# Allegro board 8880F5-0822_7.brd (continued)
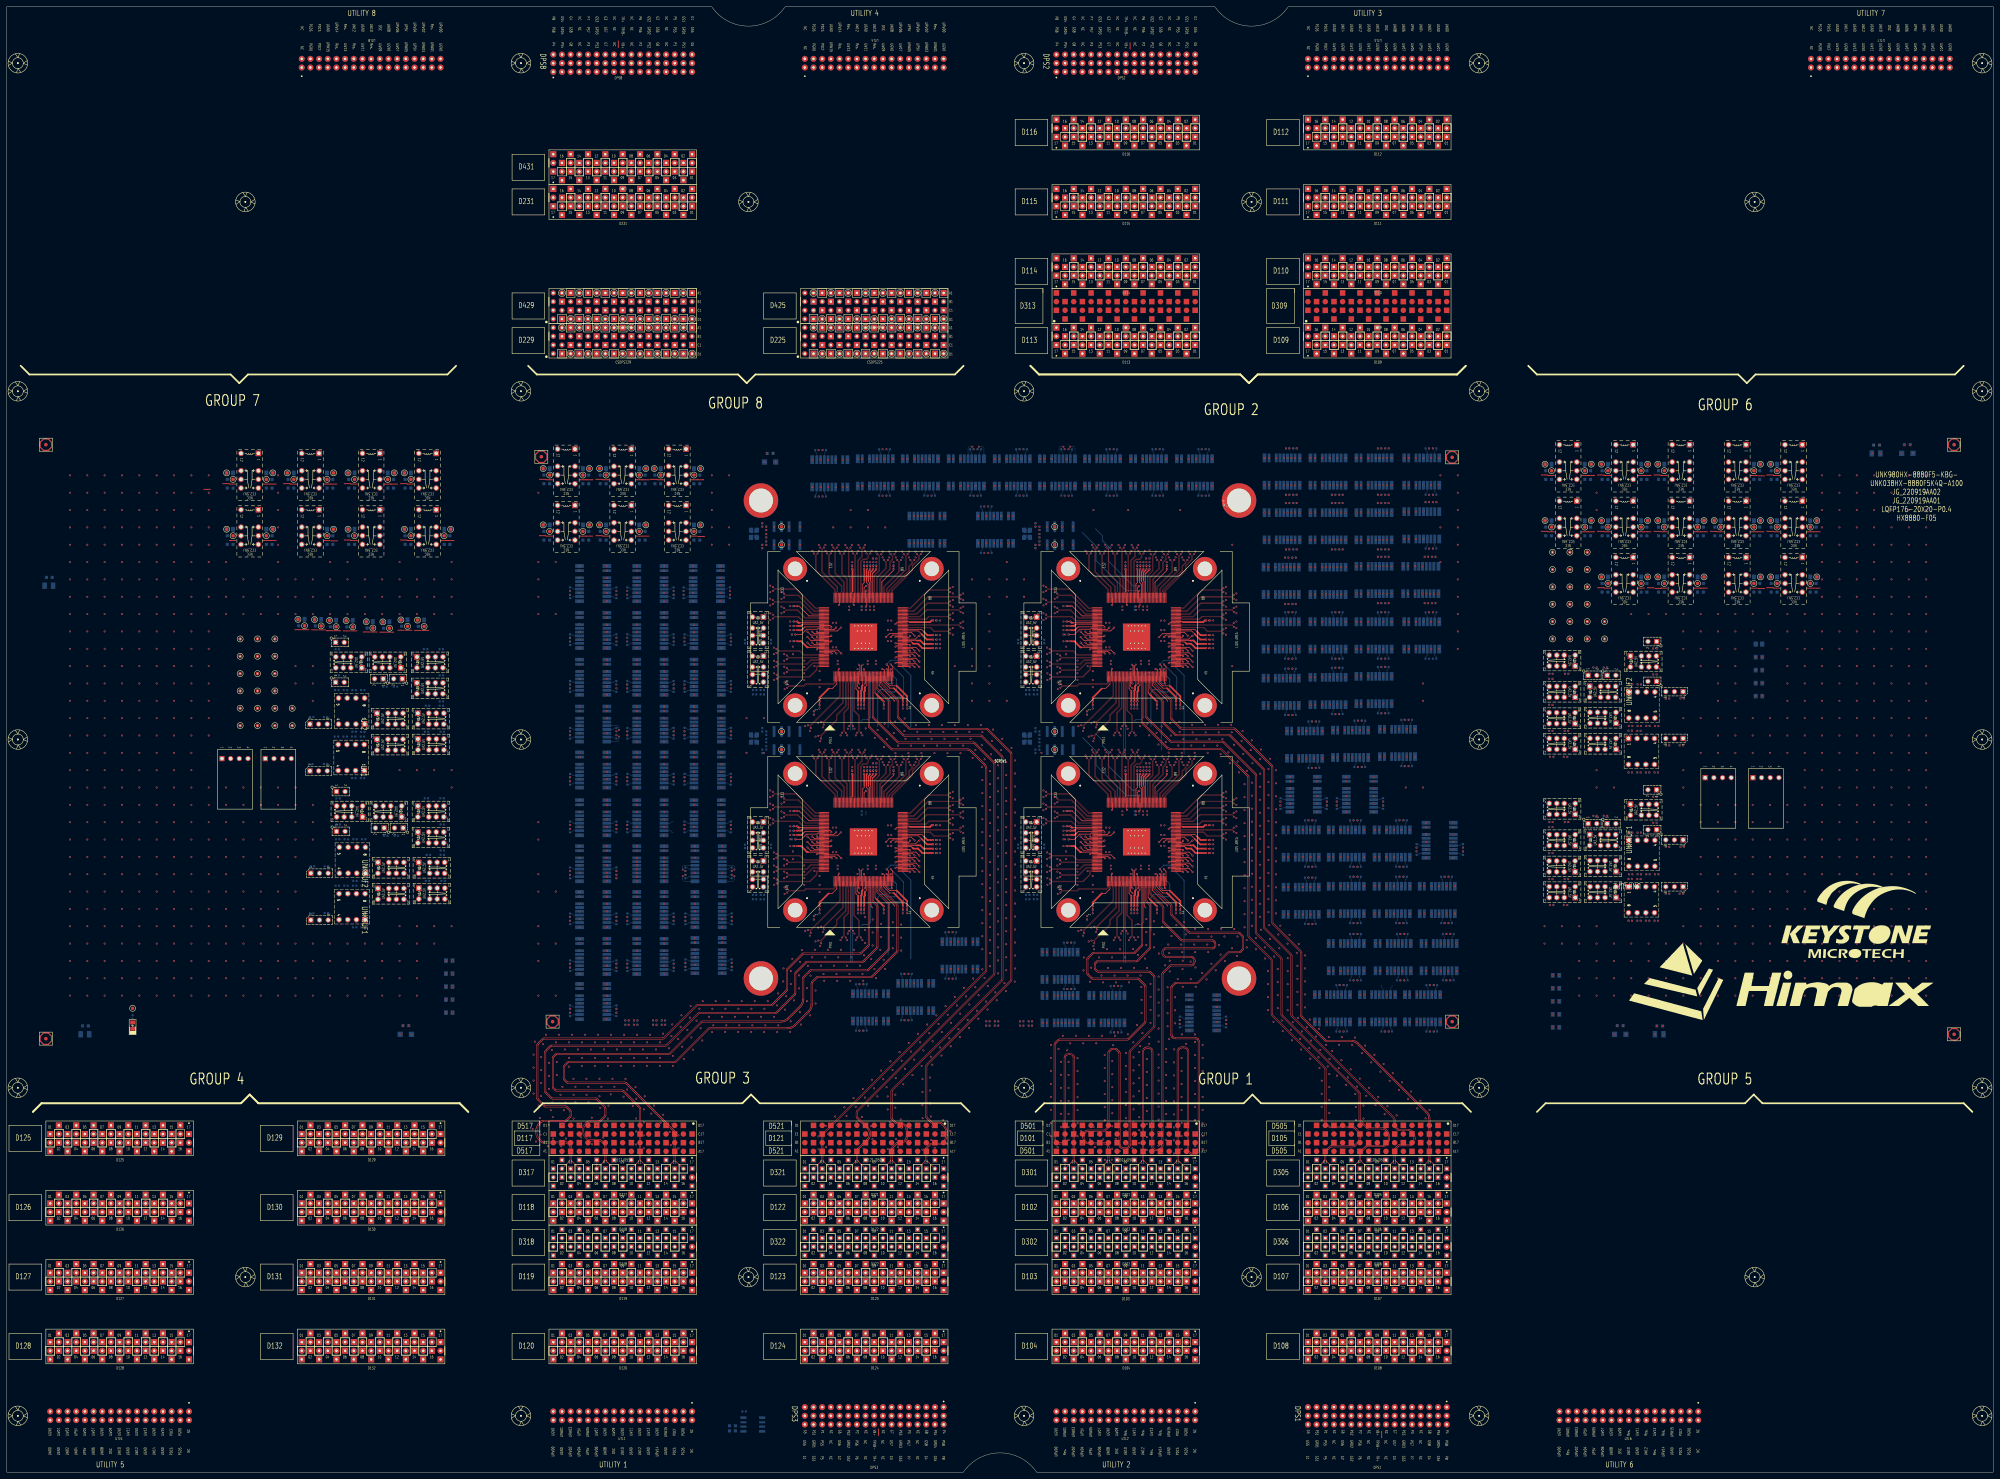
[diagram p0: board, top side]
## Placement (name value [footprint] x y rotation side) (continued)
NOREF#1974  -  []  209.23 195.52 90 top
NOREF#1975  -  []  175.8 174.36 90 top
NOREF#1976  -  []  93.76 271.33 90 top
NOREF#1977  -  []  373.73 207.21 0 top
NOREF#1978  -  []  367.13 271.21 0 top
NOREF#1979  -  []  309.21 187.61 0 top
NOREF#1980  -  []  317.83 257.63 0 top
NOREF#1981  -  []  182.82 257.62 90 top
NOREF#1982  -  []  175.7 250.38 90 top
NOREF#1983  -  []  414.25 154.88 0 top
NOREF#1984  -  []  175.8 133.97 90 top
NOREF#1985  -  []  343.98 288.86 0 top
NOREF#1986  -  []  295.96 248.49 0 top
NOREF#1987  -  []  376.98 224.6 0 top
NOREF#1988  -  []  405.93 288.67 90 top
NOREF#1989  -  []  408.37 258.64 90 top
NOREF#1990  -  []  228.36 202.16 45 top
NOREF#1991  -  []  424.05 163.64 90 top
NOREF#1992  -  []  309.21 248.88 0 top
NOREF#1993  -  []  343.31 224.72 0 top
NOREF#1994  -  []  231.15 159.63 90 top
NOREF#1995  -  []  271.34 241.37 0 top
NOREF#1996  -  []  333.4 264.35 90 top
NOREF#1997  -  []  226.27 216.63 90 top
NOREF#1998  -  []  201.66 186.02 90 top
NOREF#1999  -  []  327.25 205.56 0 top
NOREF#2000  -  []  271.82 134.74 90 top
NOREF#2001  -  []  448.94 276.41 90 top
NOREF#2002  -  []  175.8 187.82 90 top
NOREF#2003  -  []  237.66 164.72 0 top
NOREF#2004  -  []  201.23 192.32 90 top
NOREF#2005  -  []  319.33 236.03 0 top
NOREF#2006  -  []  287.91 280.1 0 top
NOREF#2007  -  []  184.89 240.88 90 top
NOREF#2008  -  []  167.7 138.47 90 top
NOREF#2009  -  []  419.9 272.82 90 top
NOREF#2010  -  []  219.81 213.69 90 top
NOREF#2011  -  []  272.24 181.05 90 top
NOREF#2012  -  []  351.34 189.5 0 top
NOREF#2013  -  []  352.24 242.32 90 top
NOREF#2014  -  []  395.67 133.16 90 top
NOREF#2015  -  []  209.23 243.88 90 top
NOREF#2016  -  []  343.63 165.04 90 top
NOREF#2017  -  []  275.28 290.13 90 top
NOREF#2018  -  []  230.43 186.34 90 top
NOREF#2019  -  []  381.74 265.11 0 top
NOREF#2020  -  []  475.04 239.09 0 top
NOREF#2021  -  []  247.25 265.56 90 top
NOREF#2022  -  []  237.66 224.74 0 top
NOREF#2023  -  []  368.28 297.12 0 top
NOREF#2024  -  []  473.79 239.64 0 top
NOREF#2025  -  []  229.51 243.41 0 top
NOREF#2026  -  []  387.39 281.11 0 top
NOREF#2027  -  []  223.15 271.32 90 top
NOREF#2028  -  []  259.33 265.56 0 top
NOREF#2029  -  []  301.34 286.96 0 top
NOREF#2030  -  []  314.71 129.74 90 top
NOREF#2031  -  []  262.68 163.52 90 top
NOREF#2032  -  []  208.98 257.6 90 top
NOREF#2033  -  []  251.33 140.14 0 top
NOREF#2034  -  []  330.51 288.86 0 top
NOREF#2035  -  []  372.72 178.25 0 top
NOREF#2036  -  []  397.38 180.15 90 top
NOREF#2037  -  []  383.73 195.88 90 top
NOREF#2038  -  []  252.51 265.56 0 top
NOREF#2039  -  []  286.55 288.31 90 top
NOREF#2040  -  []  168.69 276.04 90 top
NOREF#2041  -  []  462.06 277.31 90 top
NOREF#2042  -  []  221.56 239.06 0 top
NOREF#2043  -  []  271.34 245.18 0 top
NOREF#2044  -  []  390.53 163.64 0 top
NOREF#2045  -  []  201.23 187.92 90 top
NOREF#2046  -  []  387.08 154.88 0 top
NOREF#2047  -  []  414.82 249.11 0 top
NOREF#2048  -  []  175.8 228.97 90 top
NOREF#2049  -  []  310.43 248.88 90 top
NOREF#2050  -  []  112.05 246.78 90 top
NOREF#2051  -  []  331.38 164.74 90 top
NOREF#2052  -  []  209.59 160.9 90 top
NOREF#2053  -  []  251.06 165.04 90 top
NOREF#2054  -  []  337.09 224.74 90 top
NOREF#2055  -  []  373.93 297.12 0 top
NOREF#2056  -  []  209.49 182.06 90 top
NOREF#2057  -  []  306.83 269.63 90 top
NOREF#2058  -  []  334.61 265.86 90 top
NOREF#2059  -  []  230.83 224.63 0 top
NOREF#2060  -  []  290.64 288.86 0 top
NOREF#2061  -  []  413.71 178.82 0 top
NOREF#2062  -  []  201.23 242.78 90 top
NOREF#2063  -  []  404.4 241.16 90 top
NOREF#2064  -  []  229.21 243.09 0 top
NOREF#2065  -  []  460.93 182.17 90 top
NOREF#2066  -  []  318.45 197.01 0 top
NOREF#2067  -  []  352.24 184.86 90 top
NOREF#2068  -  []  331.62 205.56 0 top
NOREF#2069  -  []  188.08 289.11 90 top
NOREF#2070  -  []  253.33 241.33 90 top
NOREF#2071  -  []  409.74 146.88 0 top
NOREF#2072  -  []  412.6 161.74 0 top
NOREF#2073  -  []  331.62 265.56 90 top
NOREF#2074  -  []  175.7 164.3 90 top
NOREF#2075  -  []  459.24 219.3 0 top
NOREF#2076  -  []  373.32 181.42 90 top
NOREF#2077  -  []  401.52 210.88 90 top
NOREF#2078  -  []  252.51 265.56 90 top
NOREF#2079  -  []  208.98 259.8 90 top
NOREF#2080  -  []  392.73 171.64 0 top
NOREF#2081  -  []  230.41 188.88 90 top
NOREF#2082  -  []  199.59 189.04 90 top
NOREF#2083  -  []  66.26 271.33 90 top
NOREF#2084  -  []  277.17 288.86 0 top
NOREF#2085  -  []  182.57 144.78 90 top
NOREF#2086  -  []  408.92 265.37 0 top
NOREF#2087  -  []  380.53 217.11 0 top
NOREF#2088  -  []  286.55 288.41 90 top
NOREF#2089  -  []  392.47 240.66 90 top
NOREF#2090  -  []  518.38 259.9 90 top
NOREF#2091  -  []  128.05 271.33 90 top
NOREF#2092  -  []  284.79 272.65 90 top
NOREF#2093  -  []  271.34 249.5 0 top
NOREF#2094  -  []  246.23 233.13 0 top
NOREF#2095  -  []  261.63 195.43 90 top
NOREF#2096  -  []  272.25 244.86 90 top
NOREF#2097  -  []  167.7 247.18 90 top
NOREF#2098  -  []  215.96 248.49 0 top
NOREF#2099  -  []  342.36 165.04 90 top
NOREF#2100  -  []  331.62 204.35 90 top
NOREF#2101  -  []  177.33 187.32 90 top
NOREF#2102  -  []  122.19 214.79 0 top
NOREF#2103  -  []  107.76 238.84 0 top
NOREF#2104  -  []  167.7 165.4 90 top
NOREF#2105  -  []  400.85 265.37 0 top
NOREF#2106  -  []  192.47 246.08 90 top
NOREF#2107  -  []  351.34 181.37 0 top
NOREF#2108  -  []  249.85 224.74 0 top
NOREF#2109  -  []  200.98 255.15 0 top
NOREF#2110  -  []  167.7 227.72 90 top
NOREF#2111  -  []  378.33 209.11 0 top
NOREF#2112  -  []  251.22 193.63 0 top
NOREF#2113  -  []  263.2 232.26 90 top
NOREF#2114  -  []  419.47 289.12 90 top
NOREF#2115  -  []  272.8 145.48 90 top
NOREF#2116  -  []  331.22 253.63 0 top
NOREF#2117  -  []  415.61 185.72 90 top
NOREF#2118  -  []  396.55 241.11 0 top
NOREF#2119  -  []  184.89 159.1 90 top
NOREF#2120  -  []  93.76 290.38 90 top
NOREF#2121  -  []  247.34 133.41 90 top
NOREF#2122  -  []  199.33 226.57 0 top
NOREF#2123  -  []  309.51 193.69 0 top
NOREF#2124  -  []  337.9 246.99 0 top
NOREF#2125  -  []  247.25 204.35 90 top
NOREF#2126  -  []  98.78 195.15 0 top
NOREF#2127  -  []  235.4 289.88 90 top
NOREF#2128  -  []  194.09 255.9 90 top
NOREF#2129  -  []  373.32 164.66 90 top
NOREF#2130  -  []  167.7 165.4 90 top
NOREF#2131  -  []  378.33 257.11 90 top
NOREF#2132  -  []  277.17 288.86 0 top
NOREF#2133  -  []  184.89 172.56 90 top
NOREF#2134  -  []  108.01 195.15 0 top
NOREF#2135  -  []  245.15 288.66 90 top
NOREF#2136  -  []  411.26 209.66 90 top
NOREF#2137  -  []  353.35 288.31 90 top
NOREF#2138  -  []  390.69 241.11 0 top
NOREF#2139  -  []  240.94 151.63 90 top
NOREF#2140  -  []  293.31 272.1 0 top
NOREF#2141  -  []  378.75 256.66 90 top
NOREF#2142  -  []  167.7 247.18 90 top
NOREF#2143  -  []  201.4 254.6 90 top
NOREF#2144  -  []  393.19 287.22 90 top
NOREF#2145  -  []  272.24 243.59 90 top
NOREF#2146  -  []  116.01 214.71 0 top
NOREF#2147  -  []  259.33 205.55 0 top
NOREF#2148  -  []  248.96 164.72 0 top
NOREF#2149  -  []  478.57 257.36 90 top
NOREF#2150  -  []  387.08 171.64 0 top
NOREF#2151  -  []  115.99 130.36 90 top
NOREF#2152  -  []  192.47 202.99 90 top
NOREF#2153  -  []  229.05 211.67 0 top
NOREF#2154  -  []  423.61 188.92 90 top
NOREF#2155  -  []  396.55 273.11 0 top
NOREF#2156  -  []  371.73 281.11 0 top
NOREF#2157  -  []  326 288.86 90 top
NOREF#2158  -  []  351.34 183.91 0 top
NOREF#2159  -  []  340.83 174.63 90 top
NOREF#2160  -  []  165.8 199.39 0 top
NOREF#2161  -  []  392.04 273.11 90 top
NOREF#2162  -  []  449.99 217.9 0 top
NOREF#2163  -  []  229.51 186.66 0 top
NOREF#2164  -  []  388.43 180.15 0 top
NOREF#2165  -  []  237.57 209.63 90 top
NOREF#2166  -  []  290.11 280.1 0 top
NOREF#2167  -  []  310.43 246.34 0 top
NOREF#2168  -  []  408.28 129.99 0 top
NOREF#2169  -  []  339.33 265.55 0 top
NOREF#2170  -  []  259.97 264.35 90 top
NOREF#2171  -  []  310.73 243.41 0 top
NOREF#2172  -  []  221.56 190.49 0 top
NOREF#2173  -  []  317.83 197.63 0 top
NOREF#2174  -  []  309.51 189.2 0 top
NOREF#2175  -  []  247.57 205.86 90 top
NOREF#2176  -  []  473.79 234.49 90 top
NOREF#2177  -  []  449.99 174.46 0 top
NOREF#2178  -  []  341.63 173.83 90 top
NOREF#2179  -  []  475.04 195.66 0 top
NOREF#2180  -  []  401.87 139.89 0 top
NOREF#2181  -  []  329.28 225.04 90 top
NOREF#2182  -  []  251.62 205.55 0 top
NOREF#2183  -  []  209.49 150.83 90 top
NOREF#2184  -  []  339.65 204.65 90 top
NOREF#2185  -  []  327.27 131.64 90 top
NOREF#2186  -  []  192.57 160.9 90 top
NOREF#2187  -  []  275.12 271.65 90 top
NOREF#2188  -  []  468.68 129.54 0 top
NOREF#2189  -  []  184.47 192.32 90 top
NOREF#2190  -  []  352.55 245.18 0 top
NOREF#2191  -  []  371.73 273.11 0 top
NOREF#2192  -  []  165.8 254 0 top
NOREF#2193  -  []  201.23 244.98 90 top
NOREF#2194  -  []  352.24 189.18 90 top
NOREF#2195  -  []  394.05 271.21 0 top
NOREF#2196  -  []  342.04 164.74 0 top
NOREF#2197  -  []  247.57 204.65 90 top
NOREF#2198  -  []  413.71 178.82 90 top
NOREF#2199  -  []  263.63 165.04 90 top
NOREF#2200  -  []  304.61 144.34 0 top
NOREF#2201  -  []  259.65 264.65 90 top
NOREF#2202  -  []  341.63 255.43 90 top
NOREF#2203  -  []  199.33 240.28 90 top
NOREF#2204  -  []  184.89 254.6 90 top
NOREF#2205  -  []  300.36 177.06 0 top
NOREF#2206  -  []  271.34 242.64 0 top
NOREF#2207  -  []  468.85 259.9 90 top
NOREF#2208  -  []  259.88 288.31 90 top
NOREF#2209  -  []  331.94 205.86 90 top
NOREF#2210  -  []  175.7 135.17 90 top
NOREF#2211  -  []  184.47 260.9 90 top
NOREF#2212  -  []  279.7 155.38 0 top
NOREF#2213  -  []  425.2 161.74 90 top
NOREF#2214  -  []  415.61 181.32 90 top
NOREF#2215  -  []  106.76 215.26 0 top
NOREF#2216  -  []  415.61 185.72 90 top
NOREF#2217  -  []  318.32 131.64 0 top
NOREF#2218  -  []  342.63 296.86 0 top
NOREF#2219  -  []  167.7 233.47 90 top
NOREF#2220  -  []  456.04 222.5 0 top
NOREF#2221  -  []  383.73 202.38 90 top
NOREF#2222  -  []  201.66 227.17 90 top
NOREF#2223  -  []  107.02 179.19 0 top
NOREF#2224  -  []  108.27 171.02 0 top
NOREF#2225  -  []  450.03 166.93 0 top
NOREF#2226  -  []  375.22 163.39 0 top
NOREF#2227  -  []  166.06 162.12 90 top
NOREF#2228  -  []  339.65 204.65 90 top
NOREF#2229  -  []  399.64 144.98 0 top
NOREF#2230  -  []  209.23 222.95 90 top
NOREF#2231  -  []  272.25 242.32 90 top
NOREF#2232  -  []  313.98 131.19 90 top
NOREF#2233  -  []  397.8 146.33 90 top
NOREF#2234  -  []  251.62 205.56 0 top
NOREF#2235  -  []  185.2 276.04 90 top
NOREF#2236  -  []  271.34 182.64 0 top
NOREF#2237  -  []  247.57 204.65 90 top
NOREF#2238  -  []  122.15 222.33 0 top
NOREF#2239  -  []  316.43 132.91 90 top
NOREF#2240  -  []  394.66 290.39 90 top
NOREF#2241  -  []  263.31 164.72 0 top
NOREF#2242  -  []  415.6 146.88 0 top
NOREF#2243  -  []  305.83 264.31 0 top
NOREF#2244  -  []  390.69 224.85 0 top
NOREF#2245  -  []  338.11 288.86 0 top
NOREF#2246  -  []  271.04 249.82 0 top
NOREF#2247  -  []  175.7 150.58 90 top
NOREF#2248  -  []  272.25 241.05 90 top
NOREF#2249  -  []  310.73 249.2 0 top
NOREF#2250  -  []  376.98 241.11 0 top
NOREF#2251  -  []  330.18 182.88 0 top
NOREF#2252  -  []  393.19 222.95 90 top
NOREF#2253  -  []  316.97 139.64 0 top
NOREF#2254  -  []  411.99 161.74 90 top
NOREF#2255  -  []  383.09 289.12 0 top
NOREF#2256  -  []  390.94 273.16 90 top
NOREF#2257  -  []  262.04 164.74 0 top
NOREF#2258  -  []  222.11 192.14 0 top
NOREF#2259  -  []  201.49 178.86 90 top
NOREF#2260  -  []  317.66 224.74 0 top
NOREF#2261  -  []  221.56 171.46 0 top
NOREF#2262  -  []  209.23 232.37 90 top
NOREF#2263  -  []  461.96 174.55 0 top
NOREF#2264  -  []  221.87 295.91 0 top
NOREF#2265  -  []  256.77 165.04 90 top
NOREF#2266  -  []  230.41 183.09 90 top
NOREF#2267  -  []  309.51 183.41 0 top
NOREF#2268  -  []  405.93 224.56 90 top
NOREF#2269  -  []  325.92 131.64 0 top
NOREF#2270  -  []  472.86 166.93 90 top
NOREF#2271  -  []  253.72 205.86 90 top
NOREF#2272  -  []  337.09 163.52 90 top
NOREF#2273  -  []  313.98 131.09 90 top
NOREF#2274  -  []  118.96 179.19 0 top
NOREF#2275  -  []  390.94 257.16 90 top
NOREF#2276  -  []  263.71 288.86 0 top
NOREF#2277  -  []  459.28 236.14 90 top
NOREF#2278  -  []  375.22 180.15 0 top
NOREF#2279  -  []  415.08 139.89 0 top
NOREF#2280  -  []  175.7 243.88 90 top
NOREF#2281  -  []  351.04 184.23 0 top
NOREF#2282  -  []  331.38 223.52 90 top
NOREF#2283  -  []  216.96 252.14 0 top
NOREF#2284  -  []  318.32 131.64 0 top
NOREF#2285  -  []  301.56 179.06 0 top
NOREF#2286  -  []  352.25 241.69 0 top
NOREF#2287  -  []  313.98 143.79 90 top
NOREF#2288  -  []  118.99 171.65 0 top
NOREF#2289  -  []  303.56 233.86 90 top
NOREF#2290  -  []  249.28 165.04 90 top
NOREF#2291  -  []  400.91 207.71 0 top
NOREF#2292  -  []  343.95 224.74 90 top
NOREF#2293  -  []  192.47 191.22 90 top
NOREF#2294  -  []  482.64 192.46 90 top
NOREF#2295  -  []  339.33 264.35 90 top
NOREF#2296  -  []  402.14 146.88 0 top
NOREF#2297  -  []  310.43 247.61 0 top
NOREF#2298  -  []  175.7 154.88 90 top
NOREF#2299  -  []  309.51 243.41 0 top
NOREF#2300  -  []  414.82 297.12 0 top
NOREF#2301  -  []  485.36 259.9 90 top
NOREF#2302  -  []  376.23 209.11 0 top
NOREF#2303  -  []  182.82 148.4 90 top
NOREF#2304  -  []  288.14 286.96 0 top
NOREF#2305  -  []  220.36 188.49 0 top
NOREF#2306  -  []  168.13 186.02 90 top
NOREF#2307  -  []  219.81 273.69 90 top
NOREF#2308  -  []  107.02 171.57 0 top
NOREF#2309  -  []  404.15 273.11 0 top
NOREF#2310  -  []  471.21 168.33 90 top
NOREF#2311  -  []  397.8 163.19 90 top
NOREF#2312  -  []  381.74 281.11 0 top
NOREF#2313  -  []  303.26 139.64 0 top
NOREF#2314  -  []  451.68 171.53 0 top
NOREF#2315  -  []  301.56 250.49 0 top
NOREF#2316  -  []  200.98 258.7 90 top
NOREF#2317  -  []  346.08 288.86 0 top
NOREF#2318  -  []  283.91 273.37 90 top
NOREF#2319  -  []  456.08 186.77 0 top
NOREF#2320  -  []  331.62 265.55 0 top
NOREF#2321  -  []  272.25 249.18 90 top
NOREF#2322  -  []  383.83 209.11 0 top
NOREF#2323  -  []  339.89 288.31 90 top
NOREF#2324  -  []  262.04 164.72 0 top
NOREF#2325  -  []  309.21 246.34 0 top
NOREF#2326  -  []  395.07 129.99 0 top
NOREF#2327  -  []  329.85 164.74 0 top
NOREF#2328  -  []  230.43 247.61 90 top
NOREF#2329  -  []  382.82 180.15 0 top
NOREF#2330  -  []  310.43 186.34 0 top
NOREF#2331  -  []  296.96 192.14 0 top
NOREF#2332  -  []  310.43 193.37 0 top
NOREF#2333  -  []  310.43 188.88 90 top
NOREF#2334  -  []  229.51 189.2 0 top
NOREF#2335  -  []  333.4 205.55 0 top
NOREF#2336  -  []  211.11 160.4 90 top
NOREF#2337  -  []  392.73 154.88 0 top
NOREF#2338  -  []  304.61 131.64 0 top
NOREF#2339  -  []  309.05 271.67 0 top
NOREF#2340  -  []  118.33 289.48 90 top
NOREF#2341  -  []  155.57 272.6 90 top
NOREF#2342  -  []  192.47 164.3 90 top
NOREF#2343  -  []  210.86 214.75 90 top
NOREF#2344  -  []  182.82 230.19 90 top
NOREF#2345  -  []  250.73 205.56 0 top
NOREF#2346  -  []  112.41 195.15 0 top
NOREF#2347  -  []  453.88 214.96 0 top
NOREF#2348  -  []  299.81 213.69 90 top
NOREF#2349  -  []  124.1 238.84 0 top
NOREF#2350  -  []  412.36 209.61 90 top
NOREF#2351  -  []  402.14 146.88 0 top
NOREF#2352  -  []  201.23 241.43 0 top
NOREF#2353  -  []  272.66 288.86 90 top
NOREF#2354  -  []  253.53 140.14 0 top
NOREF#2355  -  []  450.03 225.6 0 top
NOREF#2356  -  []  393.19 255.21 90 top
NOREF#2357  -  []  418.12 289.12 0 top
NOREF#2358  -  []  263.2 172.26 90 top
NOREF#2359  -  []  184.47 206.29 90 top
NOREF#2360  -  []  352.25 183.59 90 top
NOREF#2361  -  []  218.13 214.06 90 top
NOREF#2362  -  []  456.08 195.91 0 top
NOREF#2363  -  []  230.41 187.61 90 top
NOREF#2364  -  []  248.21 132.69 90 top
NOREF#2365  -  []  201.23 229.07 90 top
NOREF#2366  -  []  399.67 139.89 0 top
NOREF#2367  -  []  329.28 165.04 90 top
NOREF#2368  -  []  201.49 165.4 90 top
NOREF#2369  -  []  403.41 209.61 0 top
NOREF#2370  -  []  112.41 222.33 0 top
NOREF#2371  -  []  266.74 143.19 0 top
NOREF#2372  -  []  352.25 244.23 0 top
NOREF#2373  -  []  495.08 257.36 90 top
NOREF#2374  -  []  199.33 199.39 90 top
NOREF#2375  -  []  385.61 208.66 90 top
NOREF#2376  -  []  201.49 174.46 90 top
NOREF#2377  -  []  165.8 144.78 90 top
NOREF#2378  -  []  201.23 233.47 90 top
NOREF#2379  -  []  259.33 265.55 0 top
NOREF#2380  -  []  352.55 242.64 0 top
NOREF#2381  -  []  290.64 288.86 0 top
NOREF#2382  -  []  167.7 214 90 top
NOREF#2383  -  []  389.7 209.36 0 top
NOREF#2384  -  []  182.57 226.57 90 top
NOREF#2385  -  []  385.19 257.11 0 top
NOREF#2386  -  []  394.05 223.21 0 top
NOREF#2387  -  []  250.49 164.74 90 top
NOREF#2388  -  []  201.23 247.18 90 top
NOREF#2389  -  []  398.53 161.74 90 top
NOREF#2390  -  []  253.72 264.65 90 top
NOREF#2391  -  []  177.33 214.75 90 top
NOREF#2392  -  []  327.57 204.65 90 top
NOREF#2393  -  []  411.26 163.09 90 top
NOREF#2394  -  []  368.03 232.6 0 top
NOREF#2395  -  []  230.43 189.52 0 top
NOREF#2396  -  []  118.45 226.62 90 top
NOREF#2397  -  []  379.48 239.21 90 top
NOREF#2398  -  []  528.1 276.41 90 top
NOREF#2399  -  []  385.19 281.11 0 top
NOREF#2400  -  []  308.91 152.34 0 top
NOREF#2401  -  []  451.68 186.77 0 top
NOREF#2402  -  []  184.47 219.75 90 top
NOREF#2403  -  []  392.47 256.66 90 top
NOREF#2404  -  []  303.56 173.86 90 top
NOREF#2405  -  []  327.57 264.65 90 top
NOREF#2406  -  []  405.5 273.11 90 top
NOREF#2407  -  []  271.04 182.96 0 top
NOREF#2408  -  []  463.61 222.58 0 top
NOREF#2409  -  []  118.99 166.5 90 top
NOREF#2410  -  []  259.84 145.09 0 top
NOREF#2411  -  []  336.45 224.74 0 top
NOREF#2412  -  []  383.09 273.11 0 top
NOREF#2413  -  []  217.83 234.63 90 top
NOREF#2414  -  []  165.8 212.85 90 top
NOREF#2415  -  []  165.8 199.39 90 top
NOREF#2416  -  []  249.28 225.04 90 top
NOREF#2417  -  []  286.12 288.86 90 top
NOREF#2418  -  []  267.84 280.1 0 top
NOREF#2419  -  []  501.87 273.87 90 top
NOREF#2420  -  []  296.96 252.14 0 top
NOREF#2421  -  []  342.36 163.82 90 top
NOREF#2422  -  []  450.03 191.31 0 top
NOREF#2423  -  []  184.47 204.09 90 top
NOREF#2424  -  []  228.36 262.16 45 top
NOREF#2425  -  []  407.67 129.99 90 top
NOREF#2426  -  []  401.87 194.18 90 top
NOREF#2427  -  []  127.55 219.13 90 top
NOREF#2428  -  []  329.28 163.82 90 top
NOREF#2429  -  []  461.96 210.36 0 top
NOREF#2430  -  []  328.96 224.74 0 top
NOREF#2431  -  []  167.7 134.07 90 top
NOREF#2432  -  []  272.25 184.23 0 top
NOREF#2433  -  []  223.56 233.86 90 top
NOREF#2434  -  []  201.23 190.12 90 top
NOREF#2435  -  []  369.63 273.11 0 top
NOREF#2436  -  []  192.57 147.18 90 top
NOREF#2437  -  []  327.57 204.65 90 top
NOREF#2438  -  []  409.17 281.37 0 top
NOREF#2439  -  []  249.6 224.74 90 top
NOREF#2440  -  []  127.55 184.33 90 top
NOREF#2441  -  []  343.2 232.26 90 top
NOREF#2442  -  []  167.7 138.47 90 top
NOREF#2443  -  []  386.53 164.91 90 top
NOREF#2444  -  []  165.8 240.28 0 top
NOREF#2445  -  []  331.86 192.43 90 top
NOREF#2446  -  []  396.55 257.37 0 top
NOREF#2447  -  []  471.21 219.38 90 top
NOREF#2448  -  []  122.44 171.1 0 top
NOREF#2449  -  []  209.23 191.22 90 top
NOREF#2450  -  []  394.66 258.64 90 top
NOREF#2451  -  []  395.2 297.12 0 top
NOREF#2452  -  []  297.71 216.09 0 top
NOREF#2453  -  []  415.1 163.64 0 top
NOREF#2454  -  []  306.71 152.34 0 top
NOREF#2455  -  []  343.98 288.86 0 top
NOREF#2456  -  []  284.36 280.1 0 top
NOREF#2457  -  []  118.7 190.55 90 top
NOREF#2458  -  []  119.76 127 90 top
NOREF#2459  -  []  262.36 223.82 90 top
NOREF#2460  -  []  418.37 273.42 90 top
NOREF#2461  -  []  451.64 222.5 0 top
NOREF#2462  -  []  321.82 227.13 90 top
NOREF#2463  -  []  182.82 216.47 90 top
NOREF#2464  -  []  405.93 272.56 90 top
NOREF#2465  -  []  369.63 273.11 0 top
NOREF#2466  -  []  224.65 211.67 0 top
NOREF#2467  -  []  218.13 274.06 0 top
NOREF#2468  -  []  264.29 280.1 0 top
NOREF#2469  -  []  309.21 253.37 0 top
NOREF#2470  -  []  463.11 230.2 0 top
NOREF#2471  -  []  411.01 209.61 0 top
NOREF#2472  -  []  272.55 243.91 0 top
NOREF#2473  -  []  251.54 192.73 90 top
NOREF#2474  -  []  384.59 162.84 90 top
NOREF#2475  -  []  382.82 163.39 0 top
NOREF#2476  -  []  304.61 144.34 0 top
NOREF#2477  -  []  449.99 174.46 0 top
NOREF#2478  -  []  401.89 163.64 0 top
NOREF#2479  -  []  472.86 217.98 90 top
NOREF#2480  -  []  318.45 257.01 0 top
NOREF#2481  -  []  75.98 290.38 90 top
NOREF#2482  -  []  88.64 247.45 90 top
NOREF#2483  -  []  419.47 241.11 90 top
NOREF#2484  -  []  461.86 182.17 90 top
NOREF#2485  -  []  199.59 171.96 0 top
NOREF#2486  -  []  252.51 204.35 90 top
NOREF#2487  -  []  310.43 187.61 0 top
NOREF#2488  -  []  251.62 265.55 0 top
NOREF#2489  -  []  230.43 254.01 0 top
NOREF#2490  -  []  209.59 174.36 90 top
NOREF#2491  -  []  511.59 291.28 90 top
NOREF#2492  -  []  336.77 163.82 90 top
NOREF#2493  -  []  310.73 253.69 0 top
NOREF#2494  -  []  241.6 296.61 0 top
NOREF#2495  -  []  250.49 224.74 90 top
NOREF#2496  -  []  470.71 227 90 top
NOREF#2497  -  []  184.47 258.7 90 top
NOREF#2498  -  []  405.42 131.94 90 top
NOREF#2499  -  []  392.47 288.57 90 top
NOREF#2500  -  []  199.59 171.96 90 top
NOREF#2501  -  []  172.08 289.11 90 top
NOREF#2502  -  []  330.73 265.56 90 top
NOREF#2503  -  []  300.36 248.49 0 top
NOREF#2504  -  []  408.63 274.64 90 top
NOREF#2505  -  []  388.43 163.64 0 top
NOREF#2506  -  []  390.34 192.28 0 top
NOREF#2507  -  []  331.62 264.35 90 top
NOREF#2508  -  []  331.54 192.73 90 top
NOREF#2509  -  []  336.77 225.04 90 top
NOREF#2510  -  []  467.51 230.2 0 top
NOREF#2511  -  []  66.26 290.38 90 top
NOREF#2512  -  []  330.49 163.52 90 top
NOREF#2513  -  []  292.74 288.86 0 top
NOREF#2514  -  []  253.33 181.33 90 top
NOREF#2515  -  []  383.09 241.11 0 top
NOREF#2516  -  []  182.57 144.78 0 top
NOREF#2517  -  []  397.8 146.43 90 top
NOREF#2518  -  []  403.99 163.64 0 top
NOREF#2519  -  []  253.53 140.14 0 top
NOREF#2520  -  []  409.17 249.11 0 top
NOREF#2521  -  []  300.01 288.41 90 top
NOREF#2522  -  []  271.34 189.5 0 top
NOREF#2523  -  []  116.27 178.64 0 top
NOREF#2524  -  []  167.7 258.7 90 top
NOREF#2525  -  []  301.56 190.49 0 top
NOREF#2526  -  []  451.64 179.06 0 top
NOREF#2527  -  []  235.85 288.61 90 top
NOREF#2528  -  []  475.36 127 90 top
NOREF#2529  -  []  397.38 163.64 90 top
NOREF#2530  -  []  373.87 171.39 0 top
NOREF#2531  -  []  318.3 163.52 90 top
NOREF#2532  -  []  449.99 217.9 0 top
NOREF#2533  -  []  192.47 189.02 90 top
NOREF#2534  -  []  106.11 234.24 0 top
NOREF#2535  -  []  184.47 161 90 top
NOREF#2536  -  []  275.3 155.38 0 top
NOREF#2537  -  []  272.25 249.82 0 top
NOREF#2538  -  []  167.7 227.72 0 top
NOREF#2539  -  []  333.4 265.56 0 top
NOREF#2540  -  []  251.38 164.74 90 top
NOREF#2541  -  []  377.23 257.16 90 top
NOREF#2542  -  []  528.1 273.87 90 top
NOREF#2543  -  []  468.01 171.53 0 top
NOREF#2544  -  []  284.77 288.86 0 top
NOREF#2545  -  []  168.13 159.1 90 top
NOREF#2546  -  []  310.73 249.2 0 top
NOREF#2547  -  []  201.23 214 0 top
NOREF#2548  -  []  182.57 171.96 0 top
NOREF#2549  -  []  115.36 235.64 90 top
NOREF#2550  -  []  378.75 224.05 90 top
NOREF#2551  -  []  375.22 163.39 0 top
NOREF#2552  -  []  319.33 183.63 90 top
NOREF#2553  -  []  192.57 174.36 90 top
NOREF#2554  -  []  396.55 273.11 0 top
NOREF#2555  -  []  110.21 195.15 0 top
NOREF#2556  -  []  215.96 188.49 0 top
NOREF#2557  -  []  511.59 257.36 90 top
NOREF#2558  -  []  328.96 224.72 0 top
NOREF#2559  -  []  394.05 287.22 0 top
NOREF#2560  -  []  175.8 256.4 90 top
NOREF#2561  -  []  342.68 223.52 90 top
NOREF#2562  -  []  272.25 181.69 0 top
NOREF#2563  -  []  412.62 289.12 0 top
NOREF#2564  -  []  352.25 249.82 0 top
NOREF#2565  -  []  192.57 215.25 90 top
NOREF#2566  -  []  168.13 199.99 90 top
NOREF#2567  -  []  258.35 288.91 90 top
NOREF#2568  -  []  346.27 130.77 90 top
NOREF#2569  -  []  237.83 197.63 0 top
NOREF#2570  -  []  341.63 195.43 90 top
NOREF#2571  -  []  319.33 176.03 90 top
NOREF#2572  -  []  448.94 292.92 90 top
R1  NC/1M-1-S4  [R0402]  221.23 227.84 180 bottom
R2  NC/1M-1-S4  [R0402]  218.95 227.84 0 bottom
R3  NC/100K-1-S4  [R0402]  184.15 131.06 180 bottom
R4  NC/100K-1-S4  [R0402]  181.61 131.06 180 bottom
R5  0-5-S4  [R0402]  222.38 272.16 270 bottom
R6  1M-1-S4  [R0402]  222.38 274.32 270 bottom
R7  49.9-1-S4  [R0402]  178.5 217.52 90 bottom
R8  49.9-1-S4  [R0402]  178.5 215.38 90 bottom
R9  49.9-1-S4  [R0402]  164.91 217.52 90 bottom
R10  49.9-1-S4  [R0402]  164.91 215.38 90 bottom
R11  49.9-1-S4  [R0402]  212.03 231.24 90 bottom
R12  49.9-1-S4  [R0402]  212.03 229.1 90 bottom
R13  49.9-1-S4  [R0402]  198.44 231.24 90 bottom
R14  49.9-1-S4  [R0402]  198.44 229.1 90 bottom
R15  49.9-1-S4  [R0402]  296.06 299.66 180 bottom
R16  49.9-1-S4  [R0402]  298.21 299.66 180 bottom
R17  49.9-1-S4  [R0402]  296.06 286.07 180 bottom
R18  49.9-1-S4  [R0402]  298.21 286.07 180 bottom
R19  49.9-1-S4  [R0402]  309.27 299.66 180 bottom
R20  49.9-1-S4  [R0402]  311.42 299.66 180 bottom
R21  49.9-1-S4  [R0402]  309.27 286.07 180 bottom
R22  49.9-1-S4  [R0402]  311.42 286.07 180 bottom
R23  49.9-1-S4  [R0402]  349.4 299.66 180 bottom
R24  49.9-1-S4  [R0402]  351.55 299.66 180 bottom
R25  49.9-1-S4  [R0402]  349.4 286.07 180 bottom
R26  49.9-1-S4  [R0402]  351.55 286.07 180 bottom
R27  49.9-1-S4  [R0402]  335.94 299.66 180 bottom
R28  49.9-1-S4  [R0402]  338.09 299.66 180 bottom